# KiCad board raven.kicad_pcb (continued)
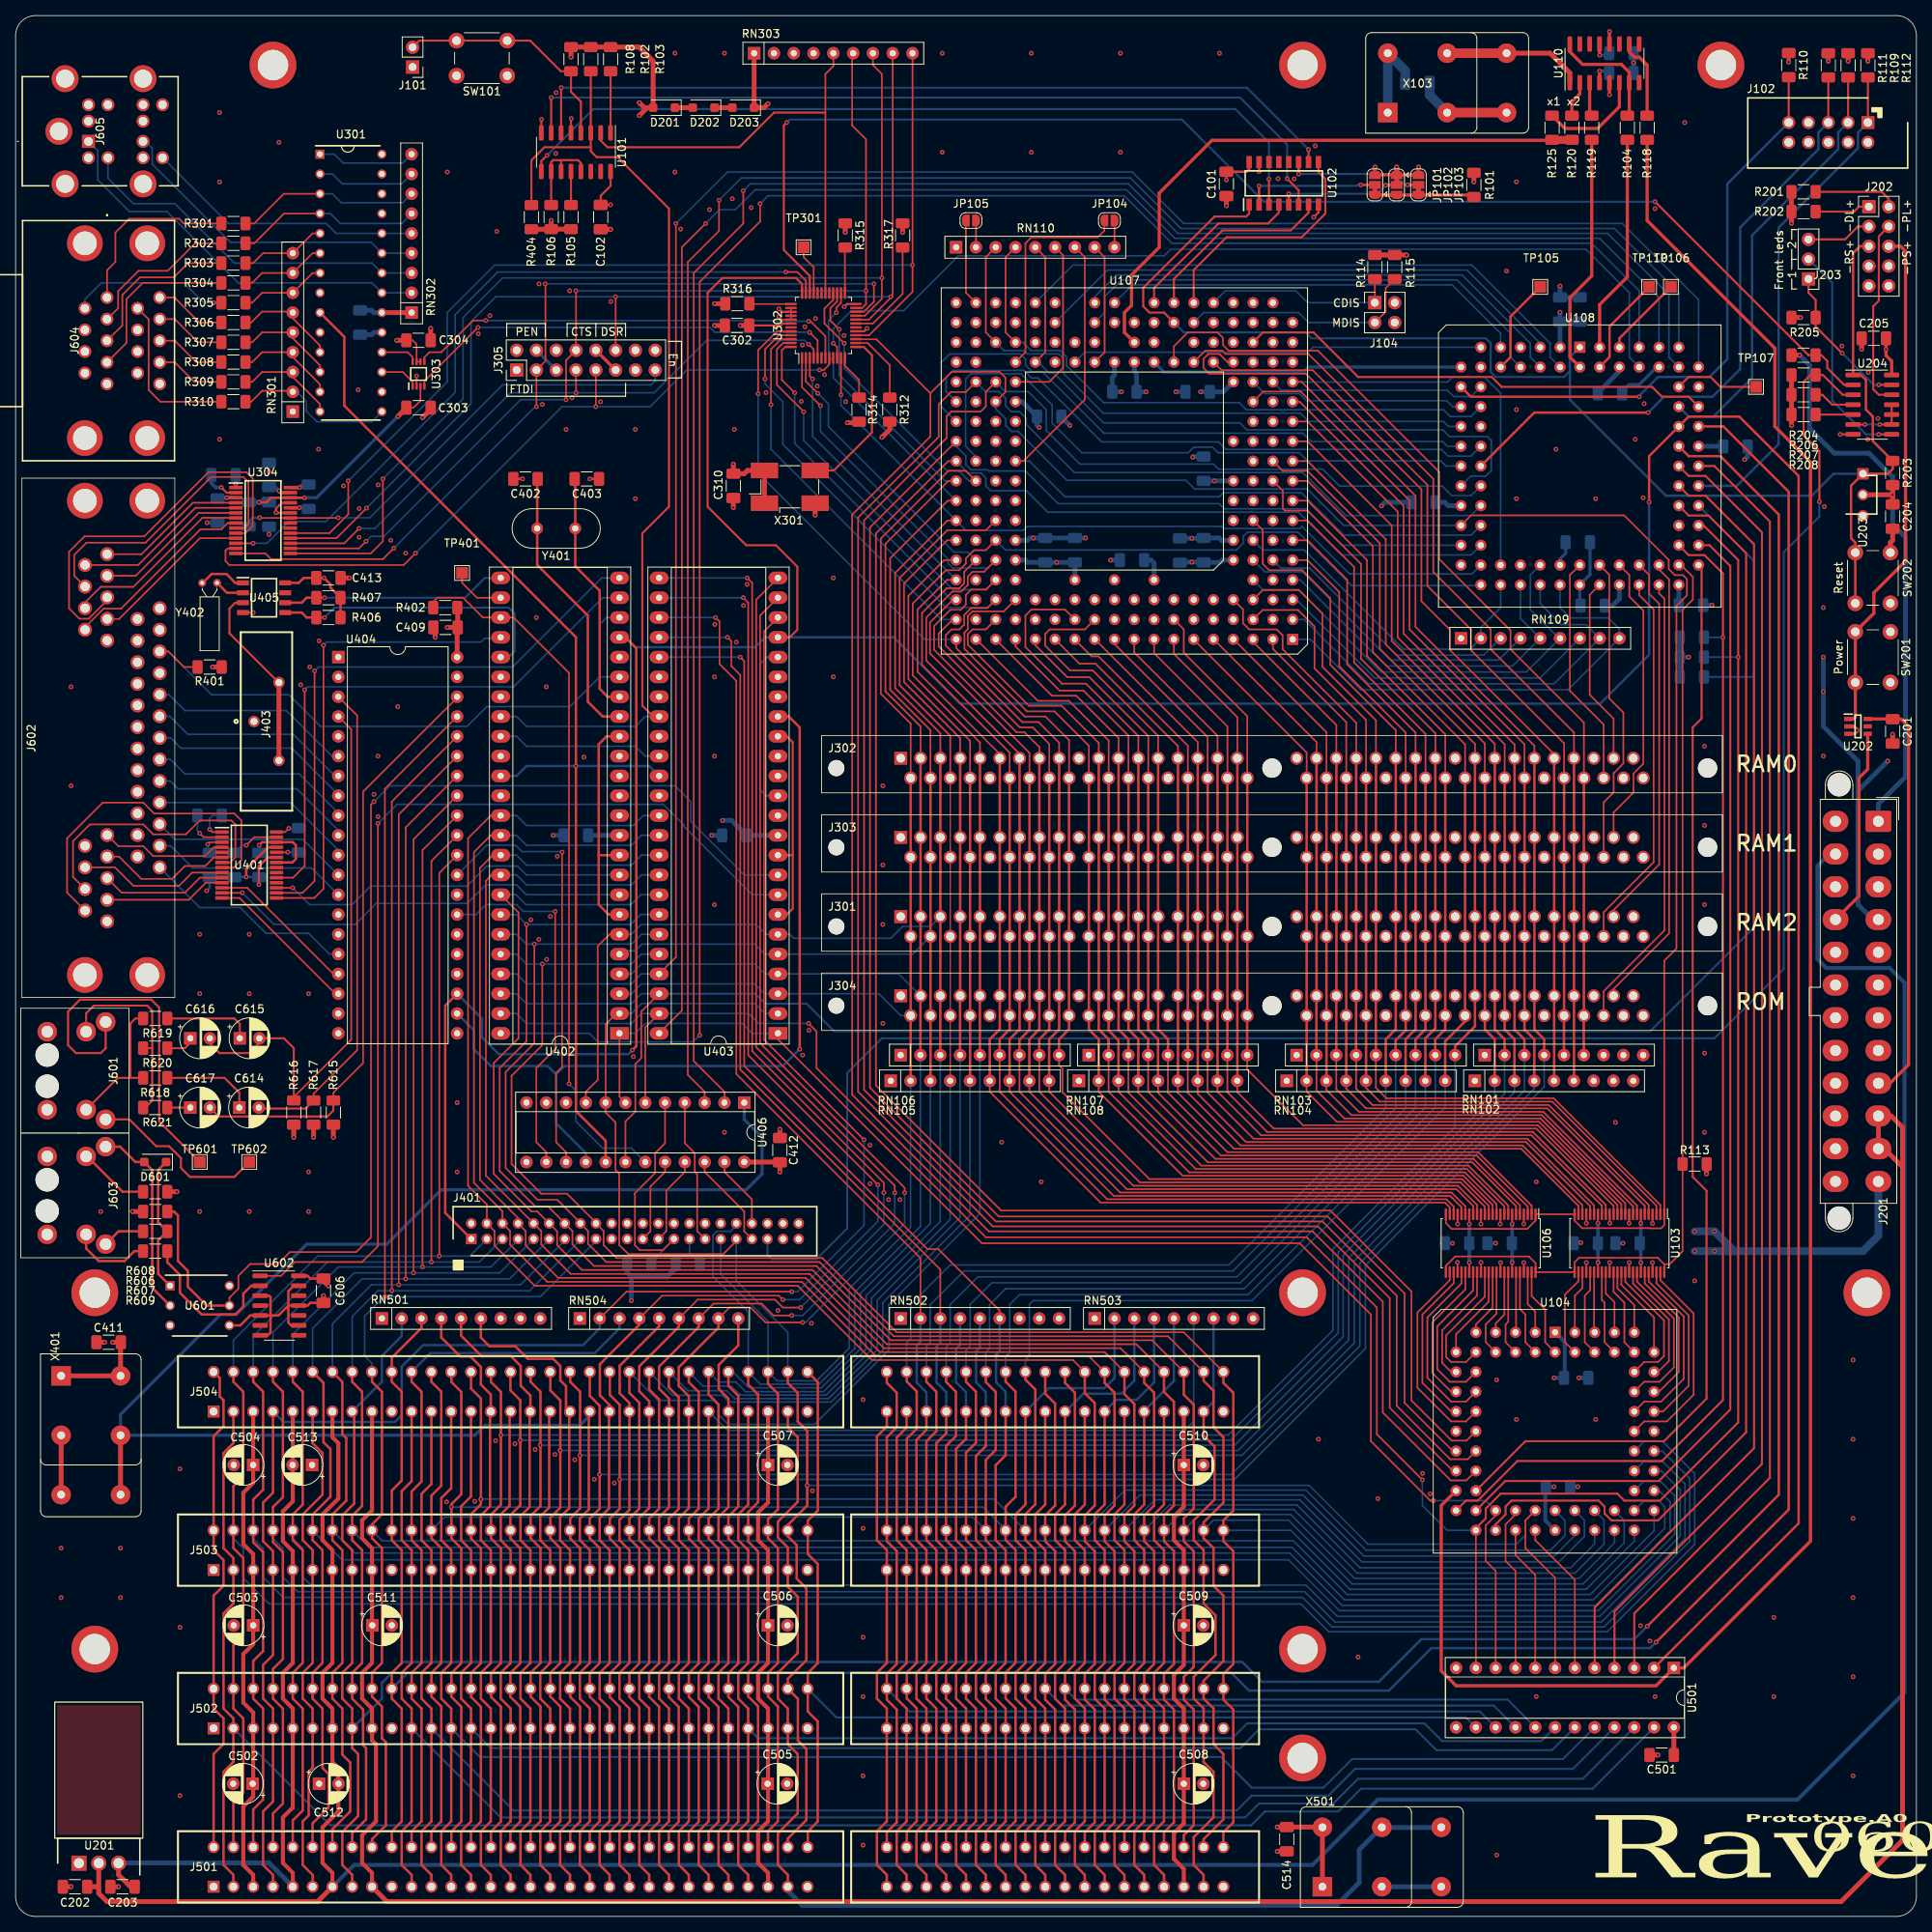
[diagram p0: board, top side]
## Routing (per net, layer and track width the routed paths; a pad name or vN(x,y) marks a point on that pad's centre or on a via; arc(x,y) is an arc through that point) (continued)
  Top w0.305: RN108.3 141.48,112.4 140.22,113.65 J304.22 J302.22
D22: length 130
  Top w0.203: U107.B16 124.46,165.1 122.76,165.1 122.15,164.49 122.15,163.14 130,155.3 134.19,155.3 138.95,150.53 J302.21 ; U106.11 189.98,91.38 185.91,95.45 150.55,95.45 140.21,105.79 RN107.2
  Top w0.305: J302.21 J304.21 138.95,113.78 140.21,112.52 RN107.2
D23: length 135.1
  Top w0.203: U107.C15 126.77,167.41 122.76,167.41 122.15,166.8 122.15,165.13 121.72,164.69 121.72,162.61 129.74,154.58 133.27,154.58 137.68,150.18 J302.20 ; U106.12 189.48,91.27 185.73,95.02 149.71,95.02 138.94,105.79 RN108.2
  Top w0.305: RN108.2 138.94,112.52 137.68,113.78 J304.20 J302.20
D24: length 183.4
  Top w0.203: RN106.9 133.86,109.17 134.29,108.74 134.29,105.74 145.44,94.59 185.55,94.59 188.98,91.16 U106.13 ; U107.A18 120.65,162.71 129.44,153.92 132.11,153.92 135.14,150.89 J302.18 ; v1(95.25,195.33) 95.25,200.91 97.68,203.34 U302.44
  Top w0.305: J302.18 J304.18 135.14,113.8 133.86,112.52 RN106.9
  Bottom w0.203: U107.A18 116.59,163.83 95.25,185.17 v1(95.25,195.33)
D25: length 192
  Top w0.203: U107.C16 124.66,167.84 122.58,167.84 121.69,166.95 121.69,165.71 121.08,165.1 120.07,165.1 119.33,164.36 119.33,163.02 129.13,153.21 131.22,153.21 133.87,150.56 J302.17 ; RN105.9 132.59,105.79 144.22,94.16 185.37,94.16 188.48,91.05 U106.14 ; v1(96.14,197.23) 96.14,201.04 97.94,202.84 U302.45
  Top w0.305: J302.17 J304.17 133.87,113.8 132.59,112.52 RN105.9
  Bottom w0.203: U107.C16 124.71,167.89 119.38,167.89 98.43,188.85 98.43,194.31 96.14,196.6 v1(96.14,197.23)
D26: length 181.2
  Top w0.203: U107.B18 120.22,166.37 118.41,164.57 118.41,162.94 128.83,152.53 130.48,152.53 132.6,150.41 J302.16 ; v1(96.9,193.93) 96.9,201.04 98.2,202.34 U302.46 ; RN106.8 131.32,105.79 143.38,93.73 185.01,93.73 187.48,91.26 U106.16
  Top w0.305: RN106.8 131.32,112.52 132.6,113.8 J304.16 J302.16
  Bottom w0.203: U107.B18 118.75,166.37 96.9,188.21 v1(96.9,193.93)
D27: length 190
  Top w0.203: U107.D16 124.49,170.21 122.58,170.21 121.89,169.52 121.89,168.28 121.23,167.61 119.91,167.61 117.83,165.53 117.83,162.48 128.4,151.92 129.41,151.92 131.33,150 J302.15 ; v1(101.09,193.01) 101.09,193.04 97.66,196.47 97.66,201.04 98.46,201.84 U302.47 ; U106.17 186.98,91.15 184.84,93.29 142.54,93.29 130.05,105.79 RN105.8
  Top w0.305: RN105.8 130.05,112.52 131.33,113.8 J304.15 J302.15
  Bottom w0.203: U107.D16 124.46,170.18 120.27,170.18 101.09,189.36 v1(101.09,193.01)
D28: length 177.9
  Top w0.203: U106.19 185.98,91.08 184.2,92.86 141.71,92.86 128.78,105.79 RN106.7 ; v1(99.95,195.45) 98.3,197.1 98.3,200.91 98.72,201.34 U302.48 ; U107.C18 120.23,168.91 117.3,165.98 117.3,162.03 130.06,149.26 J302.14
  Top w0.305: RN106.7 128.78,112.46 130.06,113.74 J304.14 J302.14
  Bottom w0.203: v1(99.95,195.45) 99.95,188.98 120.01,168.91 U107.C18
D29: length 184.8
  Top w0.203: U106.20 185.48,90.97 184.02,92.43 140.87,92.43 127.51,105.79 RN105.7 ; J302.13 128.79,149.14 116.81,161.11 116.81,166.6 120.17,169.95 121.31,169.95 122.15,170.79 122.15,171.88 122.76,172.49 124.23,172.49 U107.E16 ; U302.1 100.88,196.17 v1(103.25,193.8)
  Top w0.305: J302.13 J304.13 128.79,113.8 127.51,112.52 RN105.7
  Bottom w0.203: v1(103.25,193.8) 103.25,190.5 119.63,174.12 119.63,173.57 120.23,172.97 124.71,172.97 U107.E16
D30: length 178.5
  Top w0.203: J302.12 127.52,149.29 116.28,160.53 116.28,167.21 119.46,170.38 121.06,170.38 121.69,171.02 121.69,172.49 U107.E17 ; v1(102.92,195.37) 101.38,196.91 U302.2 ; U106.22 184.48,91.06 183.54,92 140.03,92 126.24,105.79 RN106.6
  Top w0.305: RN106.6 126.24,112.52 127.52,113.8 J304.12 J302.12
  Bottom w0.203: U107.E17 122.17,175.01 120.4,175.01 104.27,191.14 104.27,194.03 v1(102.92,195.37)
D31: length 175.6
  Top w0.203: U106.23 183.98,90.95 183.36,91.57 139.19,91.57 124.97,105.79 RN105.6 ; U302.3 101.88,197.58 v1(102.23,197.23) ; U107.D18 119.51,171.45 115.7,167.64 115.7,159.66 126.25,149.11 J302.11
  Top w0.305: J302.11 J304.11 126.25,113.8 124.97,112.52 RN105.6
  Bottom w0.203: v1(102.23,197.23) 102.23,189.87 U107.D18
I2C_CLK: length 29
  Top w0.254: v1(39.62,169.16) R407.2
  Top w0.305: 34.59,168.53 36.7,168.53 37.34,169.16 R407.2
  Bottom w0.254: U402.25 60.2,171.7 57.66,169.16 v1(39.62,169.16)
I2C_DTA: length 37.4
  Top w0.254: v1(39.62,166.62) R406.2
  Top w0.305: R406.2 37.34,166.62 36.7,167.26 34.59,167.26
  Bottom w0.254: U402.29 63.25,161.54 64.01,162.31 64.01,167.13 63.25,167.89 40.89,167.89 v1(39.62,166.62)
ICLK: length 18
  Top w0.61: X103.5 196.85,239.01 199.38,236.48 U110.1
  Top w1.219: X103.5 X103.5
IKBD_RX: length 4.8
  Top w0.203: U303.8 50.94,200.01 50.29,200.66 U301.18
IKBD_TX: length 5
  Top w0.203: U301.17 49.66,198.12 50.94,196.84 U303.1
IRQ_ISA0: length 239.2
  Top w0.203: v1(108.84,99.63) 96.01,112.46 96.01,164.84 U403.22 ; v1(99.57,80.14) 78.36,80.14 RN504.2
  Top w0.305: J501.4 33.02,5.33 31.75,6.6 31.75,13.46 33.02,14.73 J502.4 33.02,26.67 31.75,27.94 31.75,32.26 33.02,33.53 J503.4 33.02,46.86 31.75,48.13 31.75,53.09 33.02,54.36 J504.4
  Bottom w0.203: v1(108.84,99.63) 108.84,88.65 100.33,80.14 v1(99.57,80.14)
  Bottom w0.305: J504.4 34.37,63.42 48.67,63.42 49.53,64.29 49.53,70.54 52.27,73.28 72.77,73.28 74.93,75.44 74.93,76.53
IRQ_ISA1: length 198.1
  Top w0.203: v1(100.97,76.2) 96.2,76.2 94.3,78.11 91.57,78.11 RN504.8 ; U403.23 95.5,166.87 95.5,112.01 114.05,93.47 v1(114.05,92.84)
  Top w0.305: RN504.8 90.17,75.54 85.06,70.43 85.06,68.05 86.36,66.75 J504.25 86.36,52.37 85.09,51.1 85.09,48.26 86.36,46.99 J503.25 86.36,32.51 85.09,31.24 85.09,27.94 86.36,26.67 J502.25 86.36,12.19 85.09,10.92 85.09,6.6 86.36,5.33 J501.25
  Bottom w0.203: v1(114.05,92.84) 114.05,88.9 101.35,76.2 v1(100.97,76.2)
IRQ_ISA2: length 201.5
  Top w0.203: v1(99.57,77.09) 97.22,77.09 95.69,78.61 89.53,78.61 RN504.7 ; U403.24 95,168.91 95,111.51 112.78,93.73 v1(112.78,92.84)
  Top w0.305: J501.24 83.82,5.33 82.55,6.6 82.55,10.92 83.82,12.19 J502.24 83.82,26.67 82.55,27.94 82.55,31.24 83.82,32.51 J503.24 83.82,46.99 82.55,48.26 82.55,51.21 83.82,52.48 J504.24 83.82,66.42 82.55,67.69 82.55,70.54 87.63,75.62 RN504.7
  Bottom w0.203: v1(112.78,92.84) 112.78,88.9 100.97,77.09 v1(99.57,77.09)
IRQ_ISA3: length 212.3
  Top w0.203: v1(111.38,92.84) 111.38,94.11 94.49,111 94.49,171.07 v1(93.85,171.7) ; RN504.6 87.5,79.12 97.41,79.12 98.43,78.11 v1(100.71,78.11)
  Top w0.305: J501.23 81.28,5.33 80.01,6.6 80.01,10.92 81.28,12.19 J502.23 81.28,26.67 80.01,27.94 80.01,31.24 81.28,32.51 J503.23 81.28,46.99 80.01,48.26 80.01,51.13 81.28,52.4 J504.23 81.28,66.09 80.01,67.36 80.01,70.56 85.09,75.64 RN504.6
  Bottom w0.203: v1(111.38,92.84) 111.38,88.77 v1(100.71,78.11) ; v1(93.85,171.7) U403.25
IRQ_ISA4: length 212.8
  Top w0.203: v1(93.34,169.16) 93.98,168.53 93.98,110.49 v1(110.62,93.85) ; v1(98.43,79.12) 97.92,79.63 82.93,79.63 RN504.4
  Top w0.305: J501.21 76.2,5.33 74.93,6.6 74.93,10.92 76.2,12.19 J502.21 76.2,26.67 74.93,27.94 74.93,31.24 76.2,32.51 J503.21 76.2,46.99 74.93,48.26 74.93,51.13 76.12,52.32 76.12,64.69 J504.21 76.2,65.61 74.96,66.85 74.96,70.84 80.01,75.9 RN504.4
  Bottom w0.203: v1(93.34,169.16) U403.26 ; v1(98.43,79.12) 100.58,79.12 110.62,89.15 v1(110.62,93.85)
IRQ_ISA5: length 185.4
  Top w0.203: RN502.2 116.08,84.46 92.46,108.08 92.46,158.5 90.3,160.66 90.3,166.12 v1(89.79,166.62) ; U403.27 81.91,166.62
  Top w0.305: J501.65 116.84,5.33 115.57,6.6 115.57,10.92 116.84,12.19 J502.65 116.84,26.67 115.57,27.94 115.57,31.24 116.84,32.51 J503.65 116.84,46.99 115.57,48.26 115.57,61.14 116.84,62.41 J504.65
  Bottom w0.203: v1(89.79,166.62) U403.27
  Bottom w0.305: J504.65 116.84,67.23 115.6,68.48 115.6,73.23 116.08,73.71 RN502.2
IRQ_ISA6: length 184.2
  Top w0.203: v1(91.31,164.08) 91.82,163.58 91.82,160.4 92.96,159.26 92.96,108.65 118.62,82.99 RN502.3
  Top w0.305: J504.66 119.38,61.98 118.11,60.71 118.11,48.26 119.38,46.99 J503.66 119.38,32.51 118.11,31.24 118.11,27.94 119.38,26.67 J502.66 119.38,12.19 118.11,10.92 118.11,6.6 119.38,5.33 J501.66
  Bottom w0.203: v1(91.31,164.08) U403.28
  Bottom w0.305: J504.66 119.38,67.26 118.14,68.5 118.14,73.08 118.62,73.56 RN502.3
IRQ_ISA7: length 186.6
  Top w0.203: v1(92.96,161.54) 93.47,161.04 93.47,109.09 116.97,85.6 118.36,85.6 126.24,77.72 RN502.6
  Top w0.305: J504.69 127,59.16 125.73,57.89 125.73,48.26 127,46.99 J503.69 127,32.51 125.73,31.24 125.73,27.94 127,26.67 J502.69 127,12.19 125.73,10.92 125.73,6.6 127,5.33 J501.69
  Bottom w0.203: v1(92.96,161.54) U403.29
  Bottom w0.305: RN502.6 126.24,72.52 125.78,72.06 125.78,68.53 127,67.31 J504.69
ISA:A0: length 151.9
  Top w0.305: 101.63,8.86 101.63,10.9 102.9,12.17 102.9,25.02 101.63,26.29 101.63,31.22 102.9,32.49 102.9,45.21 101.63,46.48 101.63,50.77 102.91,52.06 102.91,68.54 101.63,69.82
  Bottom w0.254: J502.62 105.28,25.53 186.05,25.53 U501.14
ISA:ALE: length 170.6
  Top w0.305: J504.28 93.98,52.83 92.71,51.56 92.71,48.26 93.98,46.99 J503.28 93.98,32.51 92.71,31.24 92.71,27.94 93.98,26.67 J502.28 93.98,12.19 92.71,10.92 92.71,6.6 93.98,5.33 J501.28
  Bottom w0.254: J502.28 95.25,22.86 156.08,22.86 157.99,24.77 180.72,24.77 183,22.49 195.72,22.49 U501.18
ISA:IOCHRDY: length 408.7
  Top w0.305: J501.41 48.26,10.92 49.53,12.19 49.53,26.67 48.26,27.94 J502.41 48.26,31.24 49.53,32.51 49.53,46.99 48.26,48.26 48.26,54.64 49.53,55.91 49.53,67.31 48.26,68.58 J504.41 48.26,71.68 52.07,75.49 RN501.3 ; v1(210.44,35.18) 227.46,52.2 227.46,182.75 219.07,191.14 U108.68
  Bottom w0.305: v1(210.44,35.18) 209.68,34.42 181.61,34.42 176.15,28.96 158.24,28.96 155.96,31.24 50.29,31.24 J502.41
ISA:RESET: length 256.7
  Top w0.305: J504.2 27.94,60.71 26.67,59.44 26.67,47.24 27.94,45.97 J503.2 27.94,40.13 26.67,38.86 26.67,26.67 27.94,25.4 J502.2 27.94,19.81 26.67,18.54 26.67,6.6 27.94,5.33 J501.2
  Bottom w0.254: U501.23 202.31,16.38 172.59,16.38 169.67,13.46 160.27,13.46 158.5,11.68 40.39,11.68 J502.2
ISA:~{IOR}: length 210.1
  Top w0.305: J501.14 58.42,5.33 57.15,6.6 57.15,10.92 58.42,12.19 J502.14 58.42,26.67 57.15,27.94 57.15,31.24 58.42,32.51 J503.14 58.42,46.99 57.15,48.26 57.15,52.6 58.42,53.87 J504.14
  Bottom w0.254: J502.14 60.96,21.59 157.1,21.59 159.51,24 179.58,24 182.25,21.34 197.1,21.34 U501.19
ISA:~{IOW}: length 217.2
  Top w0.305: J501.13 55.88,5.33 54.61,6.6 54.61,10.92 55.88,12.19 J502.13 55.88,26.67 54.61,27.94 54.61,31.24 55.88,32.51 J503.13 55.88,46.99 54.61,48.26 54.61,53.67 55.88,54.94 J504.13
  Bottom w0.254: U501.20 198.5,20.19 171.45,20.19 167.77,16.51 158.58,16.51 154.64,20.45 59.56,20.45 J502.13
ISA:~{MEMR}: length 126.5
  Top w0.305: 132.08,8.76 132.08,10.8 133.35,12.07 133.35,26.54 132.08,27.81 132.08,31.12 133.35,32.39 133.35,46.86 132.08,48.13 132.08,51.44 133.35,52.71 133.35,65.79 132.08,67.06 132.08,69.72
  Bottom w0.254: J502.89 134.24,27.05 189.61,27.05 U501.16
ISA:~{MEMW}: length 126.5
  Top w0.305: 134.62,69.72 134.62,68.45 135.89,67.18 135.89,52.71 134.62,51.44 134.62,48.13 135.89,46.86 135.89,32.39 134.62,31.12 134.62,27.81 135.89,26.54 135.89,12.07 134.62,10.8 134.62,8.76
  Bottom w0.254: J502.90 136.02,27.81 191.39,27.81 U501.17
ISA:~{NOWS}: length 420.4
  Top w0.305: v1(209.3,37.21) 226.19,54.1 226.19,179.83 218.69,187.33 214.63,187.33 U108.67 ; J501.8 43.18,5.33 41.91,6.6 41.91,10.86 43.94,12.89 43.94,20.83 43.18,21.59 J502.8 43.18,26.67 41.91,27.94 41.91,31.24 43.18,32.51 J503.8 43.18,46.99 41.91,48.26 41.91,51.44 43.43,52.96 43.43,64.52 J504.8
  Bottom w0.305: RN501.2 49.53,74.45 46.99,71.91 46.99,68.58 J504.8 ; v1(209.3,37.21) 207.64,35.56 180.34,35.56 174.88,30.1 159.89,30.1 157.35,32.64 49.66,32.64 46.99,29.97 46.99,27.94 J502.8
ISA:~{SBHE}: length 144.3
  Top w0.305: 111.76,69.72 111.76,68.45 113.03,67.18 113.03,62.74 111.76,61.47 111.76,48.13 113.03,46.86 113.03,32.39 111.76,31.12 111.76,27.81 113.03,26.54 113.03,12.07 111.76,10.8 111.76,8.76
  Bottom w0.254: J502.81 114.68,26.29 187.83,26.29 U501.15
ISA:~{SMEMR}: length 224.7
  Top w0.305: J504.12 53.34,55.47 52.07,54.2 52.07,48.26 53.34,46.99 J503.12 53.34,32.51 52.07,31.24 52.07,27.94 53.34,26.67 J502.12 53.34,12.19 52.07,10.92 52.07,6.6 53.34,5.33 J501.12
  Bottom w0.254: U501.21 199.77,18.92 171.83,18.92 168.4,15.49 158.56,15.49 156.65,13.59 63.88,13.59 J502.12
ISA:~{SMEMW}: length 230.5
  Top w0.305: J504.11 50.8,55.83 49.53,54.56 49.53,48.26 50.8,46.99 J503.11 50.8,32.51 49.53,31.24 49.53,27.94 50.8,26.67 J502.11 50.8,12.19 49.53,10.92 49.53,6.6 50.8,5.33 J501.11
  Bottom w0.254: J502.11 62.23,12.7 157.73,12.7 159.51,14.48 169.04,14.48 172.21,17.65 201.04,17.65 U501.22
JOY0:BTN1: length 20.6
  Top w0.203: v1(25.4,207.01) R305.1
  Bottom w0.203: v1(25.4,207.01) 24.13,207.01 21.59,209.55 10.99,209.55 8.89,207.45 J604.A6
JOY0:DOWN: length 20
  Top w0.203: R302.1 23.04,214.63 19.51,211.1 15.77,211.1 13.16,208.48 13.16,206.3 11.76,204.91 J604.A2
JOY0:LEFT: length 21.1
  Top w0.203: J604.A3 13.69,204.1 13.69,208 15.95,210.26 20.29,210.26 22.12,212.09 R303.1
JOY0:RIGHT: length 22.2
  Top w0.203: J604.A4 14.22,201.86 14.22,207.47 16.31,209.55 R304.1
JOY0:UP: length 23.3
  Top w0.203: R301.1 21.59,217.17 20.98,217.78 14.58,217.78 12.8,216 12.8,212.24 11.73,211.17 J604.A1
JOY1:BTN1: length 21
  Top w0.203: J604.B6 17.07,204.87 17.07,195.81 18.57,194.31 R310.1
JOY1:DOWN: length 9.1
  Top w0.203: J604.B2 20.42,204.91 23.39,201.93 R307.1
JOY1:LEFT: length 9
  Top w0.203: J604.B3 20.42,202.14 23.16,199.39 R308.1
JOY1:RIGHT: length 8.9
  Top w0.203: R309.1 22.94,196.85 20.42,199.37 J604.B4
JOY1:UP: length 9.2
  Top w0.203: R306.1 23.57,204.47 20.37,207.68 J604.B1
JTAG_TCK: length 64.3
  Top w0.254: J102.1 R112.2
  Bottom w0.305: J102.1 236.35,228.85 236.35,226.82 226.16,216.64 226.16,188.87 220.8,183.52 U108.62
JTAG_TDI: length 76.2
  Top w0.254: J102.9 R110.2
  Top w0.305: v1(208.28,194.95) 186.69,194.95 U108.14
  Bottom w0.305: J102.9 219.58,222.25 219.58,199.77 217.3,197.49 210.69,197.49 208.28,195.07 v1(208.28,194.95)
JTAG_TDO: length 55.6
  Top w0.254: J102.3 R109.2
  Bottom w0.305: U108.71 214.63,192.41 217.8,192.41 222.76,197.36 222.76,215.65 233.81,226.7 233.81,228.85 J102.3
JTAG_TMS: length 80.5
  Top w0.254: J102.5 R111.2
  Top w0.305: v1(209.42,192.91) 194.82,192.91 U108.23
  Bottom w0.305: J102.5 231.27,228.85 231.27,226.7 221.23,216.66 221.23,198.5 217.68,194.95 211.45,194.95 v1(209.42,192.91)
LPT1:D0: length 25.5
  Bottom w0.203: U404.13 37.97,134.49 22.73,134.49 19.89,137.34 J602.C2
LPT1:D1: length 25.6
  Bottom w0.203: J602.C3 20.41,138.18 36.83,138.18 U404.12
LPT1:D2: length 26.1
  Bottom w0.203: J602.C4 35.3,142.88 41.4,136.78 U404.11
LPT1:D3: length 26.2
  Bottom w0.203: J602.C5 19.83,145.65 20.83,144.65 36.07,144.65 41.4,139.32 U404.10
LPT1:D4: length 26.1
  Bottom w0.203: J602.C6 19.85,148.42 21.72,146.56 36.39,146.56 41.4,141.54 U404.9
LPT1:D5: length 26.1
  Bottom w0.203: U404.8 41.4,143.89 35.43,149.86 21.21,149.86 19.88,151.19 J602.C7
LPT1:D6: length 26.1
  Bottom w0.203: J602.C8 19.78,153.96 22.1,151.64 35.62,151.64 40.96,146.3 U404.7
LPT1:D7: length 26.2
  Bottom w0.203: J602.C9 19.67,156.73 21.72,154.69 34.73,154.69 40.58,148.84 U404.6
LPT1:~{BUSY}: length 81.7
  Top w0.203: J602.C11 19.59,162.27 21.59,160.27 R401.2
  Bottom w0.203: 74.93,159.77 74.93,165.74 75.82,166.62 U402.22 ; 74.93,159.77 74.93,159.07 74.99,159 U402.19 ; 74.93,159.77 74.93,159 71.12,155.19 60.45,155.19 57.91,152.65 39.12,152.65 35.05,156.72 25.15,156.72 19.59,162.27 J602.C11
LPT1:~{STROBE}: length 27.5
  Bottom w0.203: J602.C1 23.64,129.41 28.83,129.41 32.13,126.11 37.59,126.11 40.26,123.44 U404.16
MIDI_RX: length 155.9
  Top w0.203: U601.5 27.43,79.38 28.58,80.52 28.58,82.17 30.1,83.69 33.66,83.69 35.18,85.22 43.69,85.22 45.59,87.12 45.59,142.62 v1(45.97,143)
  Top w0.305: U601.5 24.51,78.36 22.1,80.77 22.1,82.8 20.83,84.07 20.83,89.92 20.32,90.42 R606.1
  Bottom w0.203: v1(45.97,143) 48.01,145.03 84.58,145.03 86.61,143 86.61,140.46 93.47,133.6 U403.9
MIDI_TX: length 128.2
  Top w0.203: v1(46.48,140.21) 46.48,85.98 44.45,83.95 35.81,83.95 34.04,82.17 U602.1
  Bottom w0.203: U403.8 94.49,131.06 85.72,139.83 85.72,140.02 83.08,142.66 48.93,142.66 v1(46.48,140.21)
PA0: length 19.8
  Top w0.203: U501.6 200.03,43.18 194.94,48.26 U104.33
PA1: length 277.2
  Top w0.203: 92.45,86.65 90.77,84.96 78.61,84.96 77.43,86.14 77.43,95.29 76.96,95.76 76.96,101.85 75.69,103.12 U406.8 75.69,114.43 77.09,115.82 U402.2 ; U501.7 197.48,43.43 193.67,47.24 193.67,50.8 U104.34
  Top w0.305: J504.61 99.06,68.43 100.33,67.16 100.33,63.5 101.55,62.28 101.55,52.71 99.06,50.22 J503.61 99.06,48.77 100.2,47.63 100.2,43.33 101.45,42.09 101.45,32.87 99.06,30.48 J502.61 100.36,27.91 100.36,22.56 101.45,21.46 101.45,12.37 99.06,9.98 J501.61
  Bottom w0.203: J504.61 99.06,74.93 92.45,81.54 92.45,86.65 ; U402.2 79,115.82 80.29,117.11 94.84,117.11 96.13,115.82 U403.2 ; v1(101.55,55.3) 165.94,55.3 173.48,47.75 192.53,47.75 193.67,48.9 193.67,50.8 U104.34
PCLK: length 77.3
  Top w0.406: U107.R09 142.24,203.2 142.24,205.74 143.15,206.65 143.15,210.57 146.71,214.12 146.71,221.08 153.47,227.84 197.04,227.84 197.1,227.9
  Top w1: 199.64,227.9 197.1,227.9
PD16: length 298.4
  Top w0.203: U402.37 60.96,141.22 58.04,138.3 58.04,93.73 60.45,91.31 J401.4 61.43,87.92 61.43,86.06 66.6,80.9 100.33,80.9 109.85,71.37 135.64,71.37 J504.91
  Top w0.305: 137.16,69.72 137.16,67.13 138.43,65.86 138.43,52.71 137.16,51.44 137.16,48.13 138.43,46.86 138.43,32.39 137.16,31.12 137.16,27.81 138.43,26.54 138.43,12.07 137.16,10.8 137.16,8.76
  Bottom w0.203: J503.91 142.32,54.69 165.53,54.69 173.23,46.99 196.9,46.99 198.75,48.84 198.75,50.77 197.48,52.04 ; U402.37 64.26,141.22 65.54,139.94 79.24,139.94 80.52,141.22 U403.37
PD17: length 292.3
  Top w0.203: J504.92 137.67,71.88 110.36,71.88 100.84,81.41 68.2,81.41 63.43,86.17 63.43,87.92 J401.6 ; J401.6 62.45,88.93 ; J401.6 62.45,90.46 58.8,94.11 58.8,136.53 60.96,138.68 U402.38
  Top w0.305: 139.7,8.76 139.7,10.8 140.97,12.07 140.97,26.54 139.7,27.81 139.7,31.12 140.97,32.39 140.97,46.86 139.7,48.13 139.7,51.44 140.97,52.71 140.97,67.18 139.7,68.45 139.7,69.72
  Bottom w0.203: 200.03,49.5 200.03,48.86 197.4,46.23 172.97,46.23 165.15,54.05 144.22,54.05 J503.92 ; U403.38 80.27,138.68 78.99,137.4 65.54,137.4 64.26,138.68 U402.38
PD18: length 292.3
  Top w0.203: U402.39 61.21,136.14 59.56,134.49 59.56,94.49 64.45,89.6 J401.8 65.43,87.92 65.43,86.08 69.6,81.92 101.35,81.92 110.87,72.39 139.7,72.39 J504.93
  Top w0.305: 142.24,69.72 142.24,67.01 143.51,65.74 143.51,52.71 142.24,51.44 142.24,48.13 143.51,46.86 143.51,32.39 142.24,31.12 142.24,27.81 143.51,26.54 143.51,12.07 142.24,10.8 142.24,8.76
  Bottom w0.203: J503.93 146.15,53.44 164.74,53.44 172.69,45.49 197.99,45.49 201.24,48.74 201.24,50.83 200.03,52.04 ; U403.39 80.29,136.14 79.01,134.86 65.54,134.86 64.26,136.14 U402.39
PD19: length 286.9
  Top w0.203: U402.40 61.09,133.6 60.32,132.84 60.32,95.03 J401.10 67.43,87.92 67.43,86.19 71.21,82.42 101.85,82.42 111.38,72.9 141.73,72.9 J504.94
  Top w0.305: 144.78,8.76 144.78,10.8 146.05,12.07 146.05,26.54 144.78,27.81 144.78,31.12 146.05,32.39 146.05,46.86 144.78,48.13 144.78,51.44 146.05,52.71 146.05,67.18 144.78,68.45 144.78,69.72
  Bottom w0.203: U403.40 80.27,133.6 78.99,132.32 65.54,132.32 64.26,133.6 U402.40 ; J503.94 148.03,52.78 164.39,52.78 172.44,44.73 199.49,44.73 202.56,47.8 202.56,49.5
PD20: length 288.4
  Top w0.203: U402.41 64.52,128.78 64.52,112.65 61.34,109.47 61.34,95.25 66.17,90.42 66.93,90.42 J401.12 69.47,87.88 69.47,86.11 72.64,82.93 102.23,82.93 111.76,73.41 143.76,73.41 J504.95
  Top w0.305: 147.32,8.76 147.32,10.8 148.59,12.07 148.59,26.54 147.32,27.81 147.32,31.12 148.59,32.39 148.59,46.86 147.32,48.13 147.32,51.44 148.59,52.71 148.59,66.01 147.32,67.28 147.32,69.72
  Bottom w0.203: U403.41 80.21,131.06 78.93,129.78 65.48,129.78 64.2,131.06 U402.41 ; J503.95 147.35,49.53 150.01,52.2 163.96,52.2 172.11,44.04 200.05,44.04 203.76,47.75 203.76,50.85 202.56,52.04
PD21: length 281
  Top w0.203: J504.96 145.8,73.91 112.27,73.91 102.74,83.44 74.2,83.44 71.43,86.21 71.43,87.92 J401.14 70.45,88.93 68.33,91.06 66.68,91.06 62.1,95.63 62.1,108.84 65.53,112.27 65.53,127.23 v1(65.54,127.24)
  Top w0.305: 149.86,8.76 149.86,10.41 151.13,11.68 151.13,26.54 149.86,27.81 149.86,30.73 151.13,32 151.13,46.86 149.86,48.13 149.86,51.05 151.13,52.32 151.13,65.66 149.86,66.93 149.86,69.72
  Bottom w0.203: 205.1,49.5 205.1,47.9 200.56,43.36 171.78,43.36 163.58,51.56 151.87,51.56 149.86,49.56 J503.96 ; U403.42 80.19,128.52 78.91,127.24 v1(65.54,127.24) 64.26,128.52 U402.42
PD22: length 285
  Top w0.203: J504.97 147.83,74.42 112.65,74.42 103.12,83.95 75.77,83.95 73.43,86.28 73.43,87.92 J401.16 72.45,88.96 69.47,91.95 66.93,91.95 62.87,96.01 62.87,108.33 66.55,112.01 v1(66.55,124.73)
  Top w0.305: 152.4,69.72 152.4,68.71 153.67,67.44 153.67,62.74 154.94,61.47 154.94,53.09 152.4,50.55 J503.97 152.4,48.51 153.67,47.24 153.67,42.42 154.94,41.15 154.94,32.77 152.4,30.23 J502.97 152.4,27.94 153.67,26.67 153.67,22.1 154.94,20.83 154.94,12.45 152.4,9.91 152.4,8.76
  Bottom w0.203: J503.97 152.4,49.56 153.67,50.83 163.3,50.83 171.48,42.65 201.07,42.65 206.35,47.93 206.35,50.8 205.1,52.04 ; U402.43 64.26,125.98 65.52,124.73 v1(66.55,124.73) 79.03,124.73 80.29,125.98 U403.43
PD23: length 276
  Top w0.203: J504.98 149.86,74.93 113.03,74.93 103.5,84.46 77.09,84.46 75.43,86.11 75.43,87.92 J401.18 74.45,89 70.74,92.71 67.44,92.71 63.63,96.52 63.63,107.82 67.56,111.76 v1(67.56,122.16)
  Top w0.305: 154.94,8.76 154.94,10.8 156.21,12.07 156.21,26.54 154.94,27.81 154.94,31.12 156.21,32.39 156.21,46.86 154.94,48.13 154.94,50.8 156.21,52.07 156.21,67.18 154.94,68.45 154.94,69.72
  Bottom w0.203: U402.44 64.26,123.44 65.54,122.16 v1(67.56,122.16) 78.99,122.16 80.27,123.44 U403.44 ; J503.98 163.58,49.53 171.15,41.96 201.47,41.96 207.64,48.13 207.64,49.5
PD24: length 358.1
  Top w0.203: U404.37 47.37,144.65 v1(47.37,79.5)
  Top w0.305: J504.40 45.72,68.58 46.99,67.31 46.99,51.56 45.72,50.29 45.72,48.51 46.99,47.24 46.99,32.51 45.72,31.24 J502.40 45.72,28.19 46.99,26.92 46.99,22.86 47.5,22.35 47.5,11.68 45.72,9.91 J501.40
  Bottom w0.203: 210.19,52.04 210.19,49.48 202.01,41.3 170.79,41.3 163.91,48.18 47.04,48.18 45.72,49.5 ; J504.40 45.72,70.94 44.78,71.88 44.78,77.01 47.27,79.5 v1(47.37,79.5) 67.31,79.5 74.45,86.65 J401.17
PD25: length 363
  Top w0.203: U404.36 48.26,143 v1(48.26,80.26)
  Top w0.305: J504.39 43.18,68.58 44.45,67.31 44.45,52.65 43.18,51.38 43.18,48.26 44.45,46.99 44.45,32.51 43.18,31.24 J502.39 43.18,27.94 44.58,26.54 44.58,21.97 44.96,21.59 44.96,12.45 43.18,10.67 J501.39
  Bottom w0.203: 207.64,52.04 208.89,53.29 210.82,53.29 211.56,52.55 211.56,49.78 202.39,40.61 170.46,40.61 163.73,47.35 45.34,47.35 43.18,49.5 ; J401.15 72.45,86.8 65.91,80.26 46.48,80.26 43.18,76.96 J504.39
PD26: length 362.8
  Top w0.203: v1(49.15,81.03) 49.15,141.35 U404.35
  Top w0.305: J504.38 41.91,68.58 41.91,61.86 42.42,61.35 42.42,53.34 40.64,51.56 40.64,48.26 41.91,46.99 41.91,32.51 40.64,31.24 J502.38 40.64,27.94 41.91,26.67 41.91,20.76 42.93,19.75 42.93,13.46 40.64,11.18 J501.38
  Bottom w0.203: 40.64,49.5 43.54,46.61 163.45,46.61 170.15,39.9 202.72,39.9 212.24,49.43 212.24,53.19 210.85,54.58 210.19,54.58 ; J504.38 40.64,76.02 45.64,81.03 64.77,81.03 70.45,86.71 J401.13
PD27: length 368
  Top w0.203: U404.34 50.04,139.7 v1(50.04,81.79)
  Top w0.305: J501.37 38.1,11.94 40.13,13.97 40.13,18.29 39.37,19.05 39.37,26.67 38.1,27.94 J502.37 38.1,31.24 39.37,32.51 39.37,46.99 38.1,48.26 38.1,51.56 40.39,53.85 40.39,59.94 39.5,60.83 39.5,68.45 J504.37
  Bottom w0.203: 207.64,54.58 208.86,55.8 211,55.8 212.83,53.98 212.83,49.02 203.02,39.22 169.82,39.22 163.3,45.75 41.86,45.75 38.1,49.5 ; J504.37 38.1,75.44 44.45,81.79 63.37,81.79 68.45,86.87 J401.11
PD28: length 368.3
  Top w0.203: v1(51.05,82.55) 51.05,138.18 U404.33
  Top w0.305: J504.36 35.56,68.58 36.83,67.31 36.83,52.83 35.56,51.56 35.56,48.26 36.83,46.99 36.83,32.51 35.56,31.24 J502.36 35.56,27.94 36.83,26.67 36.83,13.59 35.56,12.32 J501.36
  Bottom w0.203: J401.9 62.1,82.55 43.43,82.55 35.56,74.68 J504.36 ; J503.36 35.56,48.49 36.8,47.24 36.8,43.59 37.9,42.49 165.53,42.49 169.54,38.48 203.2,38.48 213.54,48.82 213.54,54.71 211.12,57.12 210.19,57.12
PD29: length 373.8
  Top w0.203: U404.32 52.2,136.78 v1(52.2,83.31)
  Top w0.305: J501.35 33.02,13.21 34.29,14.48 34.29,26.67 33.02,27.94 J502.35 33.02,31.75 34.29,33.02 34.29,46.74 33.02,48.01 33.02,52.51 34.29,53.78 34.29,67.31 33.02,68.58 J504.35
  Bottom w0.203: J504.35 33.02,74.93 41.4,83.31 60.96,83.31 64.45,86.81 J401.7 ; J503.35 33.02,48.46 34.26,47.22 34.26,43.56 36.17,41.66 165.35,41.66 169.24,37.77 203.45,37.77 214.15,48.46 214.15,55.5 211.3,58.34 208.86,58.34 207.64,57.12
PD30: length 372.8
  Top w0.203: U404.31 53.34,135.38 v1(53.34,83.95)
  Top w0.305: J504.34 30.48,68.58 31.75,67.31 31.75,54.74 30.48,53.47 30.48,48.01 31.75,46.74 31.75,34.04 30.48,32.77 J502.34 30.48,27.94 31.75,26.67 31.75,14.99 30.48,13.72 J501.34
  Bottom w0.203: J401.5 59.5,83.95 40.01,83.95 30.48,74.42 J504.34 ; J503.34 30.48,48.46 31.75,47.19 31.75,43.51 34.34,40.92 165.07,40.92 168.86,37.13 203.78,37.13 214.76,48.11 214.76,56.18 211.28,59.66 210.19,59.66
